# KiCad board Zx50 Bus Probe_RevB.kicad_pcb (continued)
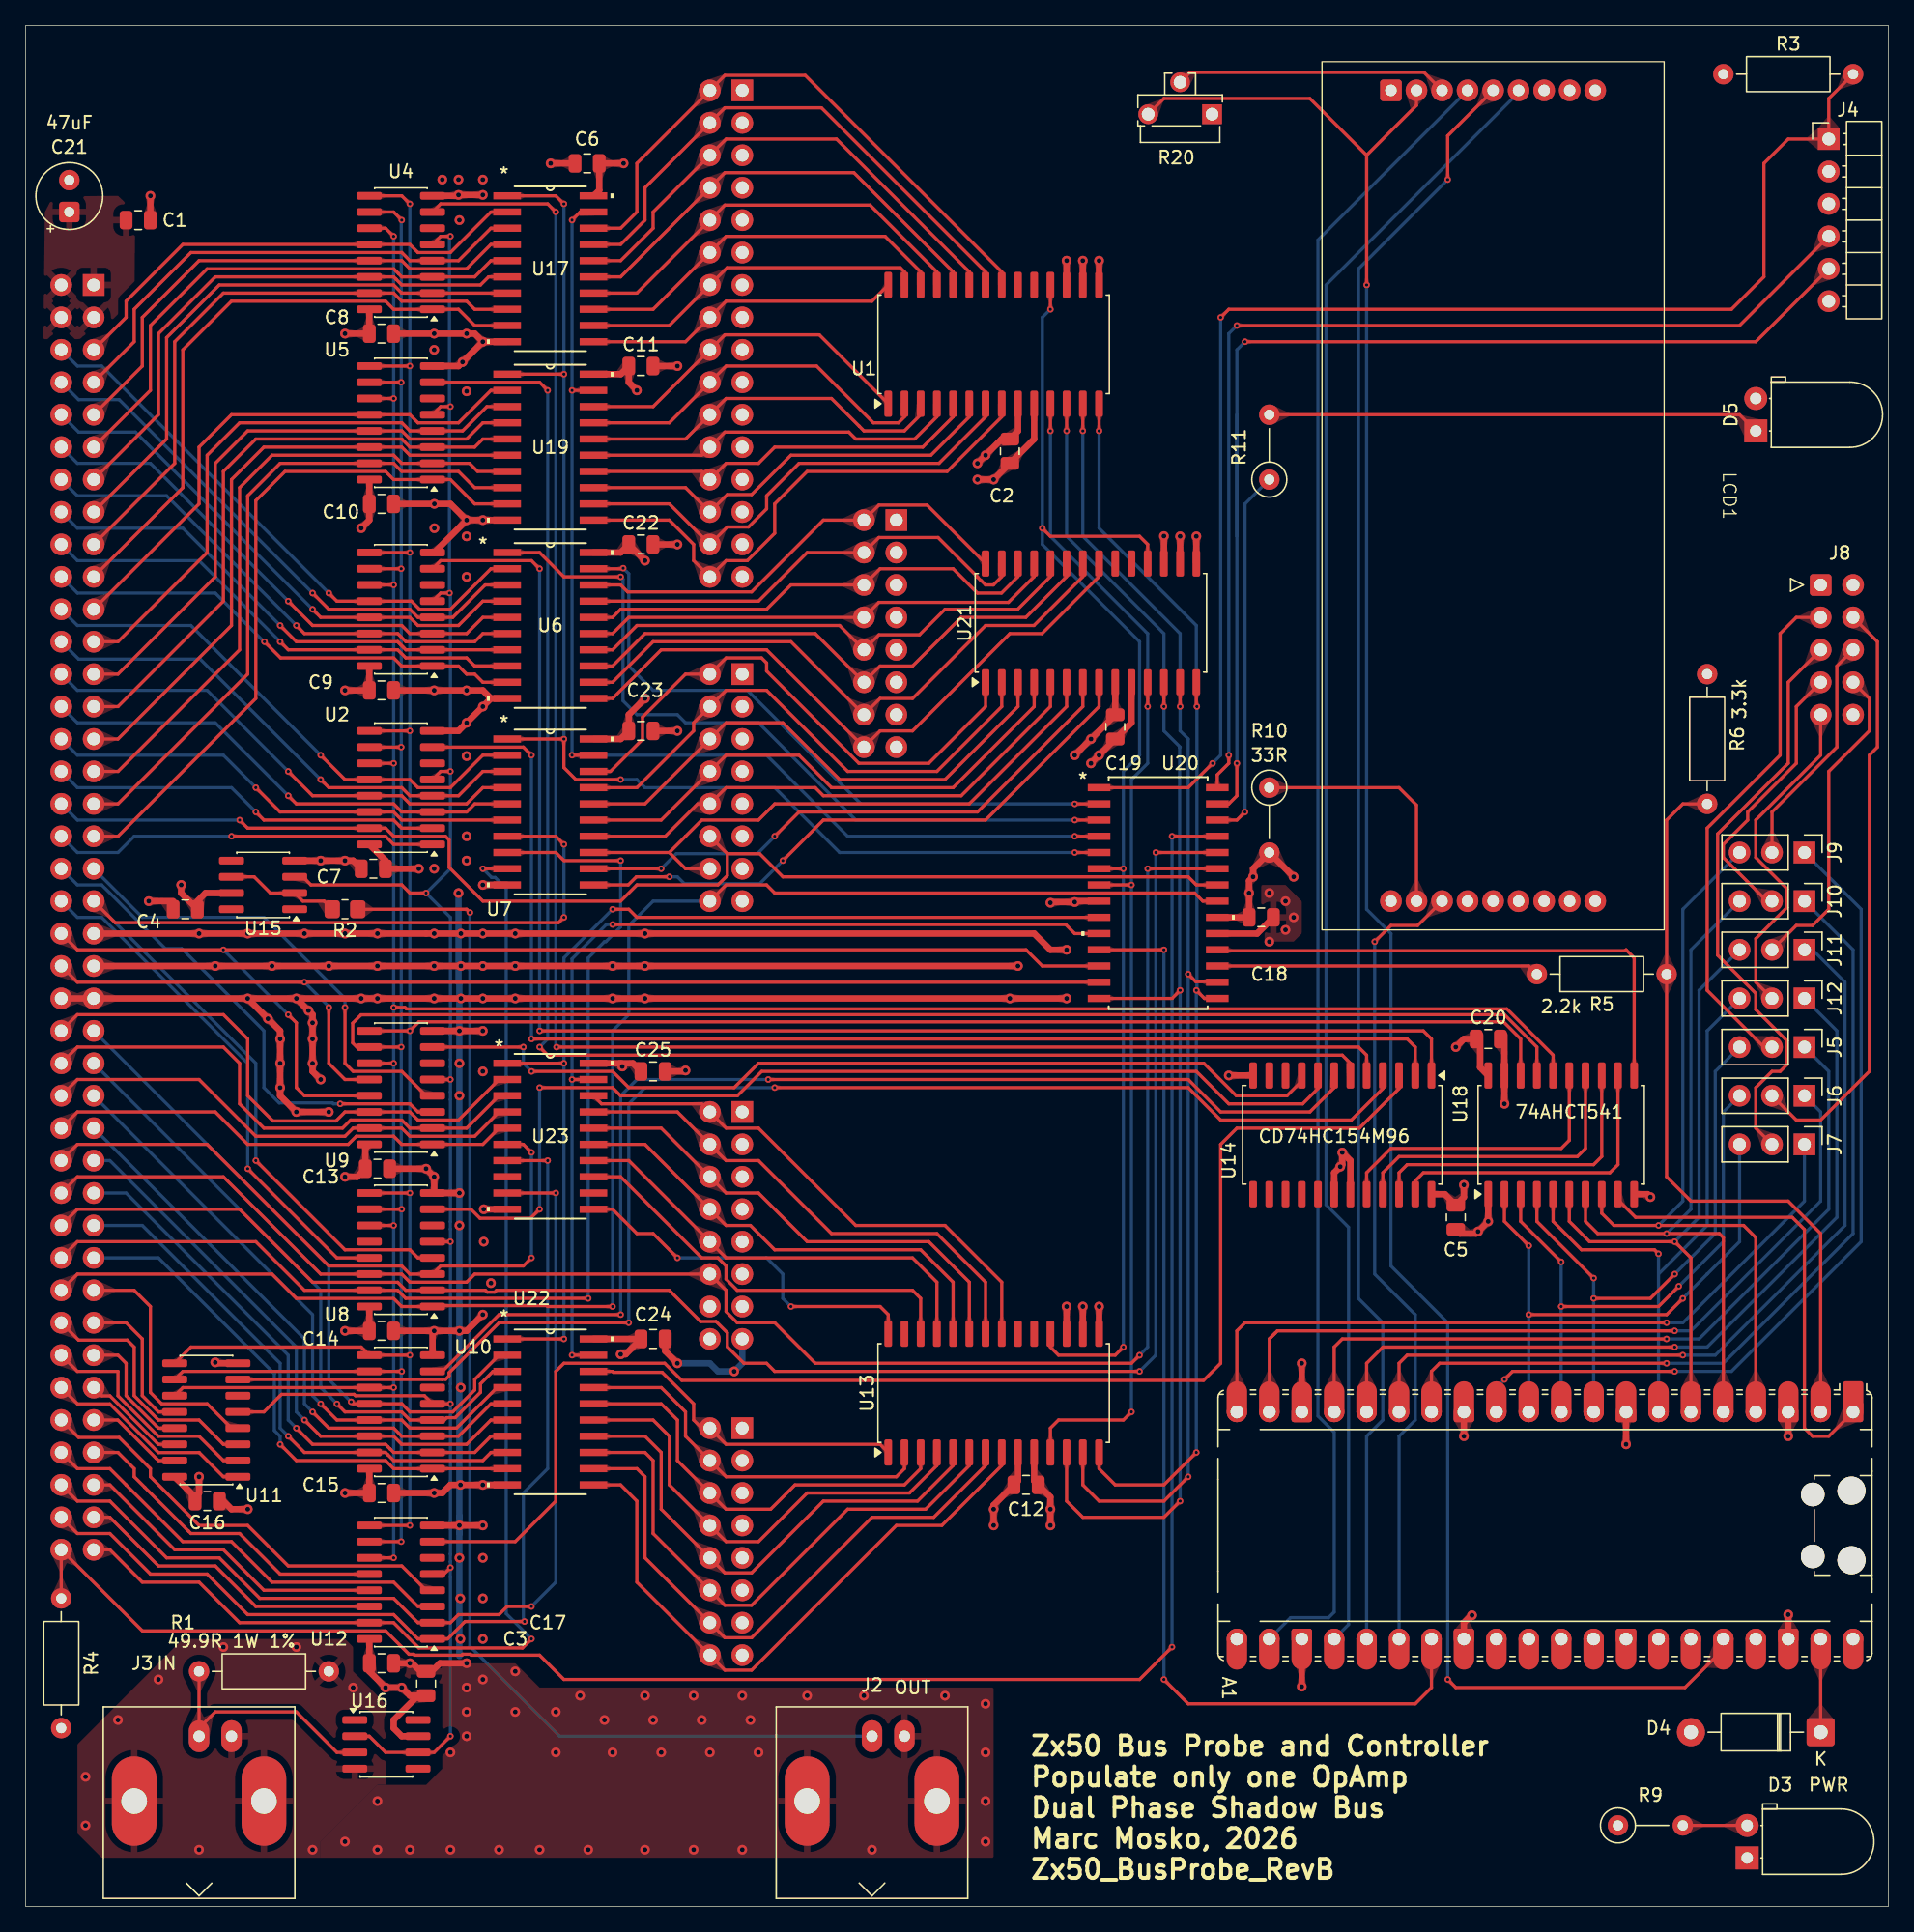
[diagram p0: board, top side]
## Nets
+5V: C1.1 C2.1 C3.1 C4.1 C5.2 C6.1 C7.2 C8.2 C9.2 C10.2 C11.1 C12.1 C13.2 C14.2 C15.2 C16.2 C17.2 C18.1 C19.1 C20.1 C21.1 C22.1 C23.1 C24.1 C25.1 D4.2 D5.2 J1.1 J1.2 J1.3 J1.4 J4.2 R3.1 R4.2 R9.1 R10.2 U1.9 U2.16 U3.16 U4.16 U5.16 U6.20 U7.20 U8.16 U9.16 U10.16 U11.16 U12.16 U13.9 U13.15 U14.24 U15.7 U16.7 U17.20 U18.20 U19.20 U20.20 U21.9 U21.16 U22.20 U23.20
GND: A1.3 A1.8 A1.13 A1.18 A1.23 A1.28 A1.38 C1.2 C2.2 C3.2 C4.2 C5.1 C6.2 C7.1 C8.1 C9.1 C10.1 C11.2 C12.2 C13.1 C14.1 C15.1 C16.1 C17.1 C18.2 C19.2 C20.2 C21.2 C22.2 C23.2 C24.2 C25.2 D3.1 J1.41 J1.43 J1.45 J1.46 J2.2 J3.2 J4.3 J8.1 J8.2 J8.10 J15.1a J15.2a J15.3a J15.4a J15.5a J15.6a J15.7a J15.8a J15.9a J15.10a J15.11a J15.12a J15.13a J15.14a J15.15a J15.16a J16.1a J16.2a J16.3a J16.4a J16.5a J16.6a J16.7a J16.8a J17.1a J17.2a J17.3a J17.4a J17.5a J17.6a J17.7a J17.8a J19.1a J19.2a J19.3a J19.4a J19.5a J19.6a J19.7a J19.8a J20.1a J20.2a J20.3a J20.4a J20.5a J20.6a J20.7a J20.8a LCD1.1 LCD1.18 R1.1 R6.1 R20.1 U1.10 U1.15 U1.16 U1.17 U2.8 U3.8 U4.8 U5.8 U6.10 U7.10 U8.8 U9.8 U10.8 U11.8 U12.8 U13.10 U13.16 U13.17 U14.12 U14.18 U14.19 U15.4 U16.4 U17.10 U18.1 U18.10 U18.19 U19.10 U20.8 U20.19 U21.10 U21.15 U21.17 U22.10 U23.10
/A0: J1.5 U4.12 U17.2
/A1: J1.7 U4.4 U17.3
/A2: J1.9 U4.13 U17.4
/A3: J1.11 U4.3 U17.5
/A4: J1.13 U4.14 U17.6
/A5: J1.15 U4.2 U17.7
/A6: J1.17 U4.15 U17.8
/A7: J1.19 U4.1 U17.9
/A8: J1.21 U5.12 U19.2
/A9: J1.23 U5.4 U19.3
/A10: J1.25 U5.13 U19.4
/A11: J1.27 U5.3 U19.5
/A12: J1.29 U5.14 U19.6
/A13: J1.31 U5.2 U19.7
/A14: J1.33 U5.15 U19.8
/A15: J1.35 U5.1 U19.9
/AN: U2.5 U3.5 U4.5 U5.5 U8.5 U9.5 U10.5 U11.5 U12.5 U15.3 U16.2 U16.6
/AN_IN: J3.1 R1.2 U16.3
/AN_OUT: R2.2 U15.2 U15.6
/AUX: J1.80 R4.1 U20.25
/BK_LGT: LCD1.17 R10.1
/CHIP0: U14.23 U18.12
/CHIP1: U14.22 U18.13
/CHIP2: U14.21 U18.14
/CHIP3: U14.20 U18.15
/CLK: J1.42 U9.13 U20.12
/D0: J1.6 U3.12 U6.2
/D1: J1.8 U3.4 U6.3
/D2: J1.10 U3.13 U6.4
/D3: J1.12 U3.3 U6.5
/D4: J1.14 U3.14 U6.6
/D5: J1.16 U3.2 U6.7
/D6: J1.18 U3.15 U6.8
/D7: J1.20 U3.1 U6.9
/DISP_CS: A1.22 LCD1.4
/DISP_RST: A1.26 LCD1.16
/G0: J1.63 U11.4
/G1: J1.65 U11.12
/G2: J1.66 U11.3
/G3: J1.67 U11.13
/G4: J1.68 U11.2
/G5: J1.69 U11.14
/G6: J1.70 U11.1
/G7: J1.71 U11.15
/G8: J1.72 U12.4
/G9: J1.73 U12.12
/G10: J1.74 U12.3
/G11: J1.75 U12.13
/G12: J1.76 U12.2 U23.9
/G13: J1.77 U12.14
/G14: J1.78 U12.1 U23.7
/G15: J1.79 U7.9 U12.15
/IEI: J1.37 U9.4
/IEO: J1.38 U9.3
/MCLK: J1.44 U9.12 U20.13
/MCLR_N: J4.1 R3.2 U20.1
/OUT: J2.1 R2.1
/PGC: J4.5 U20.27
/PGD: J4.4 U20.28
/PIC_PICO_INT: A1.27 U20.11
/PICO_RX: A1.2 R5.1 R6.2
/PICO_TX: A1.1 U18.9
/PORT0: U2.11 U3.11 U4.11 U5.11 U8.11 U9.11 U10.11 U11.11 U12.11 U18.16
/PORT1: U2.10 U3.10 U4.10 U5.10 U8.10 U9.10 U10.10 U11.10 U12.10 U18.17
/PORT2: U2.9 U3.9 U4.9 U5.9 U8.9 U9.9 U10.9 U11.9 U12.9 U18.18
/RA0: U6.19 U20.2
/RA1: U6.1 U20.3
/RA2: U7.19 U17.19 U19.19 U20.4
/RA3: U7.1 U17.1 U19.1 U20.5
/RA4: U1.18 U13.18 U20.6 U21.18
/RA5: U1.11 U13.11 U20.7 U21.11
/RA6: U20.10 U22.19 U23.19
/RA7: U20.9 U22.1 U23.1
/RB5: R11.1 U20.26
/RX: U18.11 U20.18
/SCK: U1.12 U13.12 U20.14 U21.12
/SD0: J1.47 U10.12 U22.2
/SD1: J1.49 U10.4 U22.3
/SD2: J1.51 U10.13 U22.4
/SD3: J1.53 U10.3 U22.5
/SD4: J1.55 U10.14 U22.6
/SD5: J1.57 U10.2 U22.7
/SD6: J1.59 U10.15 U22.8
/SD7: J1.61 U10.1 U22.9
/SDI: U1.14 U13.14 U20.15 U21.14
/SDO: U1.13 U13.13 U20.16 U21.13
/SEL0: U3.7 U14.1
/SEL1: U2.7 U14.2
/SEL2: U12.7 U14.3
/SEL3: U11.7 U14.4
/SEL4: U4.7 U14.5
/SEL5: U5.7 U14.6
/SEL6: U10.7 U14.7
/SEL7: U8.7 U14.8
/SEL8: U9.7 U14.9
/SH_RW: J1.54 U9.1 U23.5
/SPI_SCK: A1.24 LCD1.6
/SPI_TX: A1.25 LCD1.5
/TX: R5.2 U20.17
/X.A0: J15.1b U1.21 U17.18
/X.A1: J15.2b U1.22 U17.17
/X.A2: J15.3b U1.23 U17.16
/X.A3: J15.4b U1.24 U17.15
/X.A4: J15.5b U1.25 U17.14
/X.A5: J15.6b U1.26 U17.13
/X.A6: J15.7b U1.27 U17.12
/X.A7: J15.8b U1.28 U17.11
/X.A8: J15.9b U1.1 U19.18
/X.A9: J15.10b U1.2 U19.17
/X.A10: J15.11b U1.3 U19.16
/X.A11: J15.12b U1.4 U19.15
/X.A12: J15.13b U1.5 U19.14
/X.A13: J15.14b U1.6 U19.13
/X.A14: J15.15b U1.7 U19.12
/X.A15: J15.16b U1.8 U19.11
/X.D0: J16.1b U6.18 U21.28
/X.D1: J16.2b U6.17 U21.27
/X.D2: J16.3b U6.16 U21.26
/X.D3: J16.4b U6.15 U21.25
/X.D4: J16.5b U6.14 U21.24
/X.D5: J16.6b U6.13 U21.23
/X.D6: J16.7b U6.12 U21.22
/X.D7: J16.8b U6.11 U21.21
/X.G12: U13.28 U23.11
/X.G14: U13.26 U23.13
/X.G15: U7.11 U21.8
/X.SD0: J19.1b U13.1 U22.18
/X.SD1: J19.2b U13.2 U22.17
/X.SD2: J19.3b U13.3 U22.16
/X.SD3: J19.4b U13.4 U22.15
/X.SD4: J19.5b U13.5 U22.14
/X.SD5: J19.6b U13.6 U22.13
/X.SD6: J19.7b U13.7 U22.12
/X.SD7: J19.8b U13.8 U22.11
/X.SH_RW: J20.4b U13.24 U23.15
/X.~BUSAK~: U7.12 U21.7
/X.~IORQ~: J17.4b U7.15 U21.4
/X.~M1~: J17.5b U7.14 U21.5
/X.~MREQ~: J17.3b U7.16 U21.3
/X.~RD~: J17.1b U7.18 U21.1
/X.~RESET~: J17.7b U7.13 U21.6
/X.~SH_DONE~: J20.5b U13.25 U23.14
/X.~SH_EN~: J20.3b U13.23 U23.16
/X.~SH_INC~: J20.2b U13.22 U23.17
/X.~SH_STB~: J20.1b U13.21 U23.18
/X.~WR~: J17.2b U7.17 U21.2
/~BUSAK~: J1.62 U7.8 U8.15
/~BUSRQ~: J1.60 U8.2 U20.24
/~HALT~: J1.40 U8.13
/~INT~: J1.64 J17.8b U8.1 U20.21
/~IORQ~: J1.28 U2.3 U7.5
/~M1~: J1.30 U2.14 U7.6
/~MREQ~: J1.26 U2.13 U7.4
/~NMI~: J1.36 U2.1
/~RD~: J1.22 U2.12 U7.2
/~RESET~: J1.39 U7.7 U8.4
/~RFSH~: J1.32 U2.2
/~SH_BUSY~: J1.58 J20.6b U8.14 U20.23
/~SH_DONE~: J1.56 U8.3 U23.6
/~SH_EN~: J1.52 U9.15 U23.4
/~SH_INC~: J1.50 U9.2 U23.3
/~SH_STB~: J1.48 U9.14 U23.2
/~WAIT~: J1.34 J17.6b U2.15 U20.22
/~WR~: J1.24 U2.4 U7.3
Net-(A1-3V3): A1.36 LCD1.2 R20.3
Net-(A1-GPIO2): A1.4 J9.3 U18.8
Net-(A1-GPIO3): A1.5 J10.3 U18.7
Net-(A1-GPIO4): A1.6 J11.3 U18.6
Net-(A1-GPIO5): A1.7 J12.3 U18.5
Net-(A1-GPIO6): A1.9 J5.3 U18.4
Net-(A1-GPIO7): A1.10 J6.3 U18.3
Net-(A1-GPIO8): A1.11 J7.3 U18.2
Net-(A1-GPIO9): A1.12 J9.1
Net-(A1-GPIO10): A1.14 J10.1
Net-(A1-GPIO11): A1.15 J11.1
Net-(A1-GPIO12): A1.16 J12.1
Net-(A1-GPIO13): A1.17 J5.1
Net-(A1-GPIO14): A1.19 J6.1
Net-(A1-GPIO15): A1.20 J7.1
Net-(A1-VSYS): A1.39 D4.1
Net-(D3-A): D3.2 R9.2
Net-(D5-K): D5.1 R11.2
Net-(J5-Pin_2): J5.2 J8.3
Net-(J6-Pin_2): J6.2 J8.4
Net-(J7-Pin_2): J7.2 J8.5
Net-(J8-Pin_6): J8.6 J9.2
Net-(J10-Pin_2): J8.7 J10.2
Net-(J11-Pin_2): J8.8 J11.2
Net-(J12-Pin_2): J8.9 J12.2
Net-(LCD1-Contrast): LCD1.3 R20.2

Pads without a net: A1 21 29 30 31 32 33 34 35 37 40; J4 6; J20 7b 8b; LCD1 7 8 9 10 11 12 13 14 15; U1 19 20; U2 6; U3 6; U4 6; U5 6; U8 6 12; U9 6; U10 6; U11 6; U12 6; U13 19 20 27; U14 10 11 13 14 15 16 17; U15 1 5 8; U16 1 5 8; U21 19 20; U23 8 12

## Via types
v1: diameter 0.508, hole 0.254, Top to Bottom, 182 vias
v2: diameter 0.762, hole 0.381, Top to Bottom, 228 vias

## Routing (per net, layer and track width the routed paths; a pad name or vN(x,y) marks a point on that pad's centre or on a via; arc(x,y) is an arc through that point)
+5V: length 126.6
  Top w0.5: U14.24 111.15,55.79 C5.2 112.65,55.56 v2(112.65,56.52) ; v2(99.31,80.64) R10.2 96.14,81.28 v2(96.14,80.64) 95.82,80.33 v2(95.82,79.38) C18.1 U20.20 ; v2(25.02,123.19) C8.2 U4.16 ; U3.16 C9.2 v2(25.02,95.25) ; v2(75.82,29.84) v2(75.82,31.11) 75.82,31.43 C12.1 77.72,33.34 U13.9 ; 13.46,78.1 12.19,79.38 v2(12.19,80.01) ; v2(48.51,105.41) C22.1 46.61,106.04 44.48,106.04 ; U22.20 C24.1 47,43.25 v2(46.61,43.25) ; U8.16 C14.2 v2(25.02,45.08) ; v2(13.59,33.66) 13.59,32.38 13.28,32.07 ; v2(48.51,94.61) 47.24,93.34 C23.1 46.61,91.44 U7.20 ; 13.28,32.06 U11.16 ; 26.93,20.95 C17.2 26.93,18.41 v2(28.19,17.14) v2(29.46,17.14) 30.1,16.51 C3.1 30.73,16.51 28.83,14.6 28.83,13.97 29.46,13.34 30.73,13.34 ; 13.46,78.74 14.09,79.38 16.13,79.38 ; 26.93,34.28 C15.2 v2(25.02,32.38) ; v2(25.02,57.15) 25.97,57.15 26.61,57.78 26.61,59.38 U9.16 ; v2(112.01,67.31) 112.65,67.94 C20.1 ; v2(46.84,136.53) C6.1 44.93,134.42 44.5,133.98 ; v2(47.88,118.75) 47.24,119.38 C11.1 46.61,120.01 U19.20 ; 26.92,83.18 28.19,81.92 C7.2 v2(30.8,81.28) ; v2(82.17,90.17) 83.44,91.44 v2(83.44,91.44) C19.1 U21.9 ; v2(26.29,107.95) 26.92,108.58 C10.2 U5.16 ; U13.15 v2(84.07,46.99) ; U21.16 v2(90.42,107.31) ; U23.20 46.54,66.04 46.61,65.97 46.68,66.04 47.56,66.04 C25.1 ; 113.92,68.26 113.92,65.72 U18.20 ; v2(74.55,113.03) v2(75.18,113.66) 76.45,114.93 C2.1 77.72,115.56 U1.9
  vias: v2(46.74,65.79)
GND: length 514.1
  Top w0.5: J1.46 J1.45 v2(17.4,71.12) ; U21.17 89.15,107.31 ; U1.16 v2(82.8,128.91) ; C6.2 v2(41.12,136.53) ; 38.35,33.02 v2(35.81,33.02) 33.27,33.02 32.64,32.38 v2(32,32.38) C15.1 ; v2(35.81,134.06) v2(33.91,134.06) 33.91,133.98 U4.8 ; J1.43 v2(14.86,73.66) v2(19.3,73.66) v2(23.75,73.66) v2(27.56,73.66) v2(32,73.66) v2(38.35,73.66) v2(45.97,73.66) v2(48.51,73.66) v2(77.72,73.66) ; U13.10 78.99,33.34 C12.2 80.26,32.06 v2(80.26,31.11) v2(80.26,29.84) ; v2(34.54,108.58) v2(35.81,108.58) 37.31,108.58 ; v2(34.54,108.58) 33.27,109.85 C10.1 ; v2(34.54,108.58) 32,106.04 ; A1.3 v2(138.05,36.83) ; v2(74.55,111.76) v2(75.82,111.76) C2.2 78.99,114.94 U1.10 ; v2(127.25,55.56) 127.03,55.79 U18.10 ; C17.1 v2(30.1,19.05) 30.29,19.05 30.93,18.41 ; U7.10 v2(35.81,80.01) ; v2(21.21,71.12) v2(26.29,71.12) v2(27.56,71.12) v2(32,71.12) v2(38.35,71.12) v2(45.97,71.12) v2(48.51,71.12) v2(77.09,71.12) v2(81.53,71.12) ; v2(21.21,71.12) v2(17.4,71.12) ; v2(21.21,71.12) v2(22.16,70.17) 22.48,69.85 v2(22.48,69.21) v2(22.48,67.94) v2(22.48,66.04) 22.48,65.41 v2(23.11,64.77) ; U2.8 33.91,92.07 36.45,94.61 ; v2(17.4,31.11) 16.13,31.11 15.49,31.75 ; U13.17 v2(81.53,46.99) ; C14.1 v2(32,45.08) ; v2(32,45.08) v2(33.98,45.08) 34.54,45.08 v2(35.81,46.35) ; v2(32,45.08) 31.87,44.95 U10.8 ; C18.2 96.45,76.2 U20.19 ; J1.41 v2(13.59,76.2) v2(17.4,76.2) v2(21.84,76.2) v2(25.02,76.2) v2(27.56,76.2) v2(38.35,76.2) v2(48.51,76.2) 78.99,76.2 80.26,74.93 v2(81.53,74.93) ; C9.1 v2(32,95.25) 35.81,95.25 36.45,94.61 ; U14.18 102.49,57.47 v2(102.97,57.94) 103.12,58.1 v2(103.12,59.05) 103.76,58.42 103.76,55.79 ; v2(35.81,29.84) v2(33.98,29.84) U12.8 ; v2(23.75,62.23) v2(21.21,62.23) 19.94,63.5 v2(19.94,64.13) v2(19.94,66.04) v2(19.94,67.94) 19.94,68.58 v2(18.99,69.53) v2(17.4,71.12) ; U5.8 33.91,120.65 v2(34.23,120.97) v2(35.81,122.55) ; 36.45,94.61 37.08,94.61 ; v2(35.81,68.58) v2(33.98,68.58) U9.8 ; C24.2 50.1,43.5 v2(51.05,42.54) ; v2(35.81,122.55) 35.18,123.19 C8.1 ; v2(35.81,122.55) U17.10 ; v2(83.44,89.53) v2(84.07,90.17) C19.2 86.61,92.71 U21.10 ; 99.95,38.73 v2(99.95,42.54) ; U14.12 v2(94.23,65.09) ; U1.17 v2(81.53,128.91) ; 115.82,68.26 115.82,65.09 ; v2(33.98,55.88) 32,55.88 v2(32,57.15) v2(31.37,57.78) C13.1 ; U15.4 v2(23.11,81.91) v2(25.02,81.91) 25.65,81.91 26.29,81.28 ; C23.2 v2(51.05,92.07) ; 125.35,39.53 v2(125.35,36.19) ; v2(9.78,133.98) 9.77,133.98 C1.2 ; 99.95,20.16 v2(99.95,17.22) ; v2(14.86,42.62) 14.86,42.54 U11.8 ; U18.1 v2(114.55,53.66) 114.55,53.66 114.55,53.65 v2(113.76,52.86) 113.6,52.7 112.34,52.7 C5.1 ; 11.56,78.74 v2(9.65,78.74) ; U20.8 82.24,78.74 v2(82.17,78.67) 80.26,78.67 ; v2(34.54,19.05) 32.45,19.05 31.81,18.41 ; A1.38 v2(138.05,22.86) ; C25.2 51.69,65.41 v2(51.69,65.48) ; U18.19 v2(115.82,62.86) ; C22.2 v2(51.05,106.68) ; U13.16 v2(82.8,46.99) ; A1.28 112.65,22.22 113.28,22.86 113.29,22.86 v2(113.29,22.81) ; U1.15 v2(84.07,128.91) ; A1.13 v2(112.65,36.83) ; U21.15 v2(91.69,107.31) ; C11.2 v2(51.05,120.65) ; U23.10 v2(35.88,54.61)
  Bottom w0.5: 33.98,27.23 33.98,27.09 ; 33.98,27.23 33.98,19.61 ; 33.98,27.23 v2(33.98,27.31) 33.98,29.21 ; 33.98,29.21 33.98,29.21 v2(33.98,29.84) 33.98,30.55 33.98,30.55 ; 33.98,29.21 33.98,30.55 ; J20.8a 56.13,42.54 v2(55.5,41.91) 54.23,41.91 53.59,42.54 v2(51.05,42.54) ; v2(33.98,63.5) 33.98,63.5 ; 33.98,63.5 v2(33.98,53.34) 33.98,30.55 ; 33.98,63.5 33.98,66.04 ; 34.23,120.83 v2(34.23,120.97) ; 33.98,66.04 33.98,72.32 33.91,72.39 v2(33.91,79.38) ; 33.98,66.04 v2(33.98,66.04)
  vias: v2(4.7,10.16) v2(4.7,6.35) v2(7.24,14.6) v2(10.41,17.78) v2(13.59,4.44) v2(15.49,20.32) v2(21.21,20.32) v2(22.48,4.44) v2(25.02,5.08) v2(25.65,17.14) v2(27.56,8.25) v2(27.56,4.44) v2(30.1,4.44) v2(32,123.19) v2(32,121.92) v2(32.02,109.85) v2(32.02,107.95) v2(32,81.28) v2(32,76.2) v2(32.64,135.25) v2(33.27,12.06) v2(33.27,4.44) v2(33.91,135.25) v2(33.98,132.08) v2(34.1,76.2) v2(34.1,73.66) v2(34.1,71.12) v2(34.08,40.64) v2(34.07,33.02) v2(34.05,24.13) v2(34.06,20.95) v2(34.54,123.19) v2(34.54,118.67) v2(34.54,107.31) v2(34.54,104.14) v2(34.54,95.25) v2(34.54,92.71) v2(34.54,90.1) v2(34.54,83.82) v2(34.54,81.91) v2(34.54,17.14) v2(34.54,15.24) v2(34.54,13.34) v2(35.81,135.25) v2(35.81,93.98) v2(35.81,76.2) v2(35.81,73.66) v2(35.81,71.12) v2(35.81,65.41) v2(35.81,27.31) v2(35.81,24.13) v2(35.81,20.95) v2(35.81,17.78) v2(35.88,52.07) v2(36.45,48.82) v2(37.08,4.44) v2(38.35,18.41) v2(38.35,15.24) v2(40.26,4.44) v2(41.53,15.24) v2(41.53,12.06) v2(43.43,16.51) v2(44.07,4.44) v2(45.34,14.6) v2(45.97,12.06) v2(48.51,16.51) v2(48.51,4.44) v2(49.15,14.6) v2(49.78,12.06) v2(52.32,16.51) v2(52.32,4.44) v2(52.96,14.6) v2(53.59,12.06) v2(56.13,16.51) v2(56.13,4.44) v2(56.77,14.6) v2(57.4,12.06) v2(61.21,16.51) v2(65.66,16.51) v2(66.29,4.44) v2(72.01,16.51) v2(75.18,15.88) v2(75.18,12.06) v2(75.18,8.25) v2(75.18,5.08) v2(80.26,78.61) v2(89.15,107.33) v2(97.41,79.38) v2(97.41,75.56) v2(98.68,78.74) v2(98.68,76.49) v2(99.31,77.47)
/A0: length 38.1
  Top w0.25: J1.5 7.87,124.46 7.87,125.73 12.32,130.18 30.1,130.18 30.73,129.54 33.27,129.54 36.45,132.72 U17.2
/A1: length 39.4
  Top w0.25: U17.3 36.45,131.44 33.91,128.91 U4.4 30.1,128.91 29.47,129.54 12.95,129.54 8.51,125.09 8.51,122.55 J1.7
/A2: length 40.7
  Top w0.25: J1.9 9.14,120.65 9.14,124.46 13.59,128.91 U4.13 29.46,128.91 30.1,128.27 34.54,128.27 36.45,130.18 U17.4
/A3: length 41.9
  Top w0.25: J1.11 9.78,118.75 9.78,123.82 14.21,128.26 28.84,128.26 29.01,128.09 29.02,128.09 29.2,127.9 29.2,127.9 29.47,127.63 U4.3 35.18,127.63 36.45,128.91 U17.5
/A4: length 43.2
  Top w0.25: U17.6 36.27,127.63 35.63,127 29.47,127 29.02,127.45 29.01,127.45 28.83,127.63 U4.14 14.86,127.63 10.41,123.19 10.41,116.84 J1.13
/A5: length 44.7
  Top w0.25: J1.15 11.05,114.94 11.05,122.88 15.17,127 28.83,127 29.46,126.36 U4.2 U17.7
/A6: length 46.6
  Top w0.25: J1.17 11.68,113.03 11.68,122.56 15.49,126.36 U4.15 28.83,126.36 29.46,125.73 34.54,125.73 35.18,125.09 U17.8
/A7: length 48.4
  Top w0.25: U17.9 35.18,123.82 33.91,125.09 U4.1 28.83,125.09 28.19,125.73 16.13,125.73 12.32,121.92 12.32,111.12 J1.19
/A8: length 42.6
  Top w0.25: U19.2 36.45,118.75 33.91,116.2 30.73,116.2 30.1,116.84 U5.12 16.13,116.84 13.59,114.3 13.59,109.85 J1.21
/A9: length 45
  Top w0.25: U19.3 36.13,117.47 34.23,115.57 U5.4 30.11,115.57 29.47,116.2 16.76,116.2 14.22,113.66 14.22,106.04 7.24,99.06 J1.23
/A10: length 46.3
  Top w0.25: 37.72,116.2 35.81,116.2 34.54,114.94 30.1,114.94 29.47,115.57 U5.13 17.4,115.57 14.86,113.03 14.86,104.14 7.24,96.52 J1.25
/A11: length 47.5
  Top w0.25: U19.5 35.81,114.94 35.18,114.3 U5.3 30.1,114.3 29.47,114.94 18.03,114.94 15.49,112.39 15.49,102.23 7.24,93.98 J1.27
/A12: length 48.8
  Top w0.25: J1.29 7.24,91.44 16.13,100.33 16.13,111.76 18.67,114.3 U5.14 29.46,114.3 30.1,113.66 37.72,113.66
/A13: length 50.2
  Top w0.25: J1.31 7.24,88.9 16.76,98.42 16.76,111.12 19.3,113.66 28.83,113.66 29.47,113.03 U5.2 34.77,113.03 35.41,112.39 37.31,112.39
/A14: length 52.4
  Top w0.25: 37.72,111.12 35.18,111.12 33.91,112.39 29.46,112.39 28.83,113.03 U5.15 19.94,113.03 17.4,110.49 17.4,96.52 7.24,86.36 J1.33
/A15: length 54.3
  Top w0.25: U19.9 35.18,109.85 33.27,111.76 U5.1 28.83,111.76 28.19,112.39 20.32,112.39 18.03,110.11 18.03,94.61 7.24,83.82 J1.35
/AN: length 166.2
  Top w0.25: 31.87,130.18 32.51,130.81 v1(33.27,130.81) ; v1(33.27,117.47) 32.51,117.47 U5.5 ; v1(33.27,26.54) 32.77,26.03 32,26.03 ; 21.71,80.64 22.35,80.01 29.46,80.01 30.1,79.38 v1(31.37,79.38) ; U11.5 18.67,38.73 20.04,40.11 25.74,40.11 25.84,40 31.24,40 U10.5 v1(33.27,39.37) ; U8.5 v1(33.27,52.07) ; v1(33.27,88.9) 32.51,88.9 U2.5 ; 25.78,13.34 26.92,13.34 28.19,12.06 U16.6 32,12.06 v1(33.27,13.34) ; U9.5 v1(33.27,64.77) ; U3.5 32.51,102.87 v1(33.2,102.87)
  Bottom w0.25: v1(33.27,130.81) 33.2,130.74 33.2,117.55 v1(33.27,117.47) 33.2,117.4 33.2,102.94 33.27,102.87 33.27,81.28 v1(31.37,79.38) 33.27,77.47 33.27,68.87 33.27,68.87 33.27,68.29 33.27,68.29 33.27,66.33 33.27,66.33 33.27,65.75 33.27,65.75 33.27,63.79 33.27,63.79 33.27,63.21 33.27,63.21 33.27,56.17 33.27,56.17 33.27,55.59 33.27,55.59 33.27,53.63 33.27,53.63 33.27,53.05 33.27,53.05 33.27,45.38 33.27,40.93 33.27,40.93 33.27,40.35 33.27,40.35 33.27,33.31 33.27,33.31 33.27,32.73 33.27,32.73 33.27,30.14 33.27,27.6 33.27,27.6 33.27,27.01 33.27,27.01 33.27,26.67 ; v1(33.27,13.34) 33.27,25.81 33.27,25.81 33.27,26.4 33.27,26.4 v1(33.27,26.54)
/AN_IN: length 19.1
  Top w0.25: 13.59,18.41 J3.1 ; U16.3 24.38,12.06 21.21,15.24 14.86,15.24 13.59,13.97
/AN_OUT: length 8.9
  Top w0.25: U15.6 17.9,80.64 19.17,79.38 21.08,79.38 21.71,78.74 23.38,78.74 R2.2
/AUX: length 163.2
  Top w0.25: R4.1 J1.80 9.15,21.58 28.2,21.58 30.03,19.76 30.39,19.76 30.46,19.69 34.18,19.69 34.25,19.76 34.84,19.76 34.91,19.69 40.26,19.69 42.16,17.78 87.25,17.78 v1(89.79,20.32) ; U20.25 v1(89.79,83.82)
  Bottom w0.25: v1(89.79,20.32) v1(89.79,83.82)
/BK_LGT: length 19.6
  Top w0.25: R10.1 107.57,87.63 108.93,86.27 LCD1.17
/CHIP0: length 24.4
  Top w0.25: U14.23 108.84,56.83 109.47,57.47 124.08,57.47 124.71,58.1 U18.12
/CHIP1: length 24.4
  Top w0.25: U14.22 107.57,57.47 108.2,58.1 122.81,58.1 123.44,58.74 U18.13
/CHIP2: length 24.1
  Top w0.25: U18.14 122.17,59.37 121.54,58.74 107.57,58.74 106.3,57.47 U14.21
/CHIP3: length 23.7
  Top w0.25: U14.20 105.03,57.47 106.93,59.37 120.27,59.37 120.9,60.01 U18.15
/CLK: length 101.5
  Top w0.25: v1(20.57,69.85) 21.21,69.21 21.21,64.13 21.84,63.5 U9.13 ; J1.42 4.06,74.93 78.36,74.93 79.63,73.66 U20.12
  Bottom w0.25: v1(20.57,69.85) v1(15.49,74.93)
/D0: length 44.7
  Top w0.25: U6.2 36.45,104.77 33.27,101.6 30.86,101.6 30.22,102.23 U3.12 24.38,102.23 v1(23.75,102.87)
  Bottom w0.25: v1(23.75,102.87) 5.97,120.65 4.06,120.65 J1.6
/D1: length 43.6
  Top w0.25: v1(22.48,102.87) 23.75,101.6 30.1,101.6 30.73,100.96 U3.4 33.46,100.96 36,103.5 U6.3
  Bottom w0.25: v1(22.48,102.87) 7.33,118.02 4.16,118.02 J1.8
/D2: length 42.6
  Top w0.25: U6.4 35.81,102.23 33.91,100.33 33.91,100.33 30.73,100.33 30.1,100.96 U3.13 23.11,100.96 v1(22.48,101.6)
  Bottom w0.25: J1.10 4.16,115.48 8.6,115.48 v1(22.48,101.6)
/D3: length 41.5
  Top w0.25: 37.72,100.96 35.81,100.96 34.54,99.69 U3.3 30.1,99.69 29.46,100.33 22.48,100.33 v1(20.57,102.23)
  Bottom w0.25: v1(20.57,102.23) 9.78,113.03 4.06,113.03 J1.12
/D4: length 40.4
  Top w0.25: U6.6 35.81,99.69 35.18,99.06 29.78,99.06 29.15,99.69 U3.14 21.84,99.69 v1(21.21,100.33)
  Bottom w0.25: J1.14 4.06,110.49 11.05,110.49 v1(21.21,100.33)
/D5: length 40.1
  Top w0.25: 29.15,99.06 29.78,98.42 U3.2 U6.7 ; 29.15,99.06 21.21,99.06 v1(19.94,100.33) ; 29.15,99.06 29.62,98.58
  Bottom w0.25: J1.16 4.06,107.95 12.32,107.95 v1(19.94,100.33)
/D6: length 41.4
  Top w0.25: 37.08,97.16 35.18,97.16 ; 35.18,97.16 34.54,97.79 29.78,97.79 29.14,98.42 U3.15 20.57,98.42 v1(19.94,99.06) ; 35.18,97.16 38.35,97.16
  Bottom w0.25: J1.18 4.06,105.41 13.59,105.41 v1(19.94,99.06)
/D7: length 39
  Top w0.25: 38.35,95.88 35.81,95.88 35.18,96.52 34.54,96.52 33.91,97.16 U3.1 29.46,97.16 28.83,97.79 19.98,97.79 v1(18.71,99.06)
  Bottom w0.25: J1.20 4.06,102.87 14.86,102.87 18.67,99.06 v1(18.71,99.06)
/DISP_CS: length 130.5
  Bottom w0.25: LCD1.4 101.22,130.52 101.22,38.41 102.49,37.14 102.49,23.06 102.05,22.62 99.07,22.62 97.41,20.95
/DISP_RST: length 63
  Top w0.25: v1(105.66,75.56) 106.93,76.83 109.03,76.83 LCD1.16
  Bottom w0.25: 107.57,20.95 107.57,36.83 108.84,38.1 108.84,46.35 105.66,49.53 v1(105.66,75.56)
/G0: length 19.2
  Top w0.25: 16.13,37.46 14.22,39.37 10.67,39.37 9.78,40.26 9.78,46.99 8.51,48.26 J1.63
/G1: length 11.8
  Top w0.25: J1.65 7.87,45.72 9.14,44.45 9.14,40 10.41,38.73 U11.12
/G2: length 20
  Top w0.25: U11.3 15.49,36.19 13.59,38.1 10.41,38.1 8.51,40 8.51,43.81 7.97,44.36 4.16,44.36 J1.66
/G3: length 10.2
  Top w0.25: J1.67 7.24,43.18 7.87,42.54 7.87,40 8.06,39.82 8.06,39.82 10.22,37.65 10.23,37.65 10.41,37.46 U11.13
/G4: length 18.4
  Top w0.25: U11.2 15.49,34.92 13.59,36.83 10.41,36.83 7.24,40 7.24,41.91 4.06,41.91 J1.68
/G5: length 8.2
  Top w0.25: U11.14 10.4,36.19 6.6,39.99 5.98,39.99 J1.69
/G6: length 16.7
  Top w0.25: U11.1 15.49,33.66 13.59,35.56 13.58,35.55 10.41,35.55 6.6,39.36 4.07,39.36 J1.70
/G7: length 7.7
  Top w0.25: U11.15 10.41,34.92 10.24,35.1 10.22,35.1 7.22,38.1 J1.71
/G8: length 34.5
  Top w0.25: 31.37,24.76 29.46,26.67 20.57,26.67 17.4,29.84 13.59,29.84 9.78,33.66 9.78,34.29 7.33,36.74 4.16,36.74 J1.72
/G9: length 25.9
  Top w0.25: J1.73 7.24,35.56 8.51,34.29 8.51,33.66 9.33,32.84 9.33,32.83 12.77,29.39 12.77,29.39 12.95,29.21 16.76,29.21 19.94,26.03 U12.12
/G10: length 34.1
  Top w0.25: J1.74 4.06,34.29 6.6,34.29 7.87,33.02 7.87,33.02 12.32,28.57 16.13,28.57 19.3,25.4 28.83,25.4 30.73,23.5 U12.3
/G11: length 25
  Top w0.25: J1.75 6.6,33.02 11.68,27.94 15.49,27.94 18.67,24.76 26.92,24.76
/G12: length 78.8
  Top w0.25: v1(39.62,23.5) 37.72,23.5 37.08,22.86 33.91,22.86 33.27,22.22 U12.2 30.73,22.22 28.83,24.13 18.35,24.13 15.18,27.3 11.05,27.3 6.6,31.75 4.06,31.75 J1.76 ; v1(41.53,55.88) U23.9
  Bottom w0.25: v1(39.62,23.5) 41.53,25.4 v1(41.53,55.88)
/G13: length 24.5
  Top w0.25: U12.14 18.03,23.5 14.86,26.67 10.42,26.67 6.6,30.48 J1.77
/G14: length 80.9
  Top w0.25: U23.7 v1(40.89,58.42) ; J1.78 4.06,29.21 6.6,29.21 9.78,26.03 14.22,26.03 17.4,22.86 28.83,22.86 30.73,20.95 U12.1 33.06,20.95 34.42,22.32 v1(39.08,22.32)
  Bottom w0.25: v1(39.08,22.32) 38.99,22.41 38.99,32.38 40.89,34.29 v1(40.89,58.42)
/G15: length 101.7
  Top w0.25: J1.79 6.6,27.94 9.14,25.4 13.59,25.4 16.76,22.22 U12.15 28.83,22.22 30.8,20.25 38.92,20.25 v1(39.62,20.95) ; U7.9 v1(35.81,81.28)
  Bottom w0.25: v1(39.62,20.95) 37.65,22.93 37.65,79.73 36.78,80.59 36.5,80.59 v1(35.81,81.28)
/IEI: length 36.4
  Top w0.25: v1(25.02,70.42) 25.02,66.04 25.65,65.41 29.46,65.41 31.37,63.5
  Bottom w0.25: v1(25.02,70.42) 25.02,71.12 18.67,77.47 9.14,77.47 J1.37
/IEO: length 39.6
  Top w0.25: U9.3 30.73,62.23 30.1,62.86 v1(24.64,62.86)
  Bottom w0.25: v1(24.64,62.86) 24.11,62.86 24.04,62.94 19.87,62.94 18.67,64.13 18.67,68.58 12.23,75.02 10.95,75.02 5.97,80.01 4.06,80.01 J1.38
/MCLK: length 92.6
  Top w0.25: U9.12 25.02,64.77 23.75,66.04 v1(23.75,70.42) ; U20.13 v1(21.84,72.39) 4.06,72.39 J1.44
  Bottom w0.25: v1(21.84,72.39) 23.75,70.48 v1(23.75,70.42)
/MCLR_N: length 109.4
  Top w0.25: U20.1 91.06,87.63 v1(92.96,89.53) ; v1(93.6,124.46) 94.23,125.09 133.6,125.09 136.14,127.63 136.14,136.53 138.05,138.43 J4.1 141.22,141.6 143.13,143.51
  Bottom w0.25: v1(92.96,89.53) 93.6,90.17 v1(93.6,124.46)
/OUT: length 100.6
  Top w0.25: 26.16,78.1 34.54,78.1 v1(34.8,77.85)
  Bottom w0.25: J2.1 41.84,13.34 34.8,20.38 34.8,70.82 34.8,70.83 34.8,71.41 34.8,71.42 34.8,73.36 34.8,73.37 34.8,73.95 34.8,73.96 34.8,75.9 34.8,75.91 v1(34.8,77.85)
/PGC: length 104.8
  Top w0.25: J4.5 135.51,122.55 v1(95.5,122.55) ; U20.27 94.23,86.36 94.87,86.99 v1(94.87,89.53)
  Bottom w0.25: v1(95.5,122.55) 94.87,121.92 94.87,107.31 94.87,116.84 v1(94.87,89.53)
/PGD: length 86.1
  Top w0.25: J4.4 134.24,123.82 v1(94.87,123.82) ; v1(94.23,90.17) 94.23,89.53 93.33,88.63 U20.28
  Bottom w0.25: v1(94.23,90.17) 94.23,123.19 v1(94.87,123.82)
/PIC_PICO_INT: length 87.5
  Top w0.25: 110.11,20.16 110.11,17.14 108.84,15.88 91.06,15.88 v1(89.15,17.78) ; v1(89.15,74.93) U20.11
  Bottom w0.25: v1(89.15,74.93) v1(89.15,17.78)
/PICO_RX: length 58.7
  Top w0.25: A1.2 140.59,52.7 138.05,55.24 130.43,55.24 128.52,57.15 R5.1 128.52,85.09 129.79,86.36 R6.2
/PICO_TX: length 36
  Top w0.25: 143.13,38.73 141.22,36.83 139.95,36.83 139.32,37.46 139.32,53.02 138.37,53.97 126.09,53.97 124.71,55.36
/PORT0: length 228.3
  Top w0.25: v1(28.83,89.53) U2.11 ; U18.16 119.63,66.68 116.01,70.3 29.83,70.3 29.72,70.42 v1(28.83,70.42) ; U12.11 v1(28.83,27.31) ; v1(28.83,130.81) 28.19,131.44 U4.11 ; v1(28.83,103.5) U3.11 ; 27.05,53.34 v1(28.83,53.34) ; U9.11 v1(28.83,66.04) ; v1(28.83,40.64) U10.11 12.32,40.64 U11.11 ; v1(28.83,118.11) U5.11
  Bottom w0.25: v1(28.83,27.31) v1(28.83,89.53) v1(28.83,130.81)
/PORT1: length 238.5
  Top w0.25: U12.10 v1(29.42,28.57) ; U18.17 118.36,67.31 115.83,69.85 29.46,69.85 29.45,69.84 26.27,69.84 25.62,69.18 25.62,67.64 25.95,67.31 U9.10 v1(29.42,67.31) ; v1(29.42,119.38) U5.10 ; 27.05,54.61 v1(29.46,54.61) ; v1(29.46,132.08) 28.83,132.72 26.92,132.72 ; v1(29.42,104.77) U3.10 ; v1(29.46,41.91) U10.10 12.32,41.91 U11.10 ; v1(29.42,90.8) U2.10
  Bottom w0.25: 29.42,28.61 29.42,62.23 29.42,62.23 v1(29.42,67.31) 29.42,132.04 v1(29.46,132.08)
/PORT2: length 235.8
  Top w0.25: U18.18 117.09,67.94 115.75,69.29 30.81,69.29 v1(30.1,68.58) U9.9 ; v1(30.1,120.65) U5.9 ; v1(30.1,43.18) U10.9 26.29,43.81 12.95,43.81 U11.9 ; v1(30.1,133.35) 29.46,133.98 U4.9 ; v1(30.1,106.04) U3.9 ; v1(30.1,92.07) U2.9 ; U12.9 v1(30.1,29.84) ; 27.05,55.88 v1(30.1,55.88)
  Bottom w0.25: v1(30.1,133.35) v1(30.1,29.84)
/RA0: length 51.5
  Top w0.25: U6.19 46.79,104.77 46.81,104.79 v1(46.81,104.82) ; U20.2 v1(82.17,86.36)
  Bottom w0.25: v1(82.17,86.36) 65.42,86.36 56.53,95.25 49.15,95.25 47.24,97.16 47.24,104.38 v1(46.81,104.82)
/RA1: length 60.6
  Top w0.25: v1(46.61,104.14) 42.16,104.14 40.26,106.04 37.72,106.04 ; U20.3 v1(82.17,85.09)
  Bottom w0.25: v1(46.61,104.14) 46.79,103.96 46.79,94.43 47.88,93.34 51.05,93.34 51.69,92.71 57.4,92.71 65.02,85.09 v1(82.17,85.09)
/RA2: length 90.7
  Top w0.25: 44.07,132.72 43.43,132.72 v1(42.8,132.08) ; v1(82.17,83.82) U20.4 ; v1(42.8,90.17) U7.19 ; v1(42.8,118.75) U19.19
  Bottom w0.25: v1(82.17,83.82) 64.39,83.82 58.04,90.17 v1(42.8,90.17) v1(42.8,132.08)
/RA3: length 102.8
  Top w0.25: v1(42.16,120.01) 37.31,120.01 ; v1(42.16,133.35) 41.53,133.98 U17.1 ; U20.5 v1(82.17,82.55) ; v1(46.61,88.27) 43.1,88.27 42.16,89.2 v1(42.16,91.44) U7.1
  Bottom w0.25: v1(46.61,88.27) 47.88,88.27 48.51,87.63 58.67,87.63 63.75,82.55 v1(82.17,82.55) ; v1(42.16,133.35) v1(42.16,91.44)
/RA4: length 106.6
  Top w0.25: U13.18 80.26,43.81 80.9,43.18 85.34,43.18 v1(85.98,43.81) ; U21.18 87.88,106.68 87.25,107.31 80.26,107.31 v1(79.63,107.95) ; U1.18 v1(80.26,125.09) ; v1(85.98,81.28) U20.6
  Bottom w0.25: v1(85.98,43.81) v1(85.98,81.28) 85.98,88.9 87.25,90.17 87.25,99.06 79.63,106.68 79.63,124.46 v1(80.26,125.09)
/RA5: length 95.9
  Top w0.25: U13.11 80.26,37.46 80.9,38.1 85.98,38.1 v1(86.61,38.73) ; v1(80.26,115.57) U1.11 ; U21.11 v1(87.88,93.98) ; U20.7 v1(86.61,80.01)
  Bottom w0.25: v1(80.26,115.57) 80.26,107.31 87.88,99.69 v1(87.88,93.98) 87.88,89.53 86.61,88.27 v1(86.61,80.01) v1(86.61,38.73)
/RA6: length 77.1
  Top w0.25: U23.19 v1(42.8,64.77) ; v1(45.97,76.91) 81.46,76.91 82.17,76.2 U20.10 ; U22.19 v1(42.8,43.18)
  Bottom w0.25: v1(42.8,43.18) 42.8,74.22 45.48,76.91 v1(45.97,76.91)
/RA7: length 82.8
  Top w0.25: 37.43,66.04 v1(42.16,66.04) ; v1(45.97,78.1) 47.24,78.1 47.88,77.47 U20.9 ; U22.1 v1(42.16,44.45)
  Bottom w0.25: v1(45.97,78.1) 42.16,74.29 v1(42.16,44.45)
/RB5: length 29.3
  Top w0.25: v1(95.5,85.72) 94.87,85.09 U20.26
  Bottom w0.25: R11.1 95.5,109.85 v1(95.5,85.72)
/RX: length 42.1
  Top w0.25: 93.4,74.86 125.28,74.86 125.35,74.93 125.98,74.29 U18.11
/SCK: length 111.9
  Top w0.25: U20.14 89.79,71.12 v1(90.42,71.75) ; U13.12 81.53,31.75 82.8,30.48 89.15,30.48 v1(90.42,31.75) ; U21.12 v1(89.15,93.98) ; U1.12 v1(81.53,115.57)
  Bottom w0.25: v1(81.53,115.57) 81.53,107.31 89.15,99.69 89.15,92.07 90.42,90.8 90.38,90.76 90.38,71.8 v1(90.42,71.75) v1(90.42,31.75)
/SD0: length 51.6
  Top w0.25: v1(25.5,39.53) 25.65,39.37 U10.12 29.47,39.37 30.1,38.73 33.46,38.73 35.18,40.45 35.18,41.27 37.08,43.18
  Bottom w0.25: J1.47 23.75,50.16 23.75,41.27 v1(25.5,39.53)
/SD1: length 51
  Top w0.25: v1(24.38,39.37) 25.02,38.73 29.46,38.73 30.1,38.1 U10.4 32.8,38.1 32.98,38.28 33.65,38.28 35.63,40.27 35.63,40.93 36.61,41.91 38.35,41.91
  Bottom w0.25: v1(24.38,39.37) 23.11,40.64 23.11,48.26 J1.49
/SD2: length 47.4
  Top w0.25: v1(23.11,39.37) 24.38,38.1 U10.13 29.46,38.1 30.09,37.47 33.75,37.47 36.93,40.64
  Bottom w0.25: J1.51 22.48,46.35 22.48,40 v1(23.11,39.37)
/SD3: length 47
  Top w0.25: 38.35,39.37 36.45,39.37 34.73,37.65 33.91,36.83 U10.3 29.46,36.83 28.83,37.46 23.75,37.46 v1(22.48,38.73)
  Bottom w0.25: v1(22.48,38.73) 21.84,39.37 21.84,44.45 J1.53
/SD4: length 46
  Top w0.25: 38.35,38.1 36.45,38.1 34.54,36.19 29.46,36.19 28.83,36.83 U10.14 23.11,36.83 v1(21.84,38.1)
  Bottom w0.25: J1.55 6.6,58.42 21.21,43.81 21.21,38.73 v1(21.84,38.1)
/SD5: length 44.9
  Top w0.25: v1(21.21,37.46) 22.48,36.19 28.19,36.19 28.38,36.01 28.38,36.01 28.56,35.83 28.57,35.83 28.83,35.56 U10.2 35.18,35.56 36.45,36.83 38.35,36.83
  Bottom w0.25: J1.57 7.87,55.88 20.57,43.18 20.57,38.1 v1(21.21,37.46)
/SD6: length 43.3
  Top w0.25: v1(20.57,36.83) 21.84,35.56 U10.15 28.19,35.56 28.38,35.38 28.38,35.38 28.83,34.92 35.81,34.92 36.45,35.56 U22.8
  Bottom w0.25: v1(20.57,36.83) 19.94,37.46 19.94,42.54 9.14,53.34 J1.59
/SD7: length 42.8
  Top w0.25: v1(19.94,36.19) 21.21,34.92 28.19,34.92 28.83,34.29 U10.1 38.35,34.29
  Bottom w0.25: v1(19.94,36.19) 19.94,36.83 19.49,37.28 19.49,41.73 10.41,50.8 J1.61
/SDI: length 99.6
  Top w0.25: v1(91.69,71.75) 92.33,71.12 U20.15 ; U21.14 91.69,93.98 v1(91.73,93.98) ; U13.14 84.07,34.29 85.34,33.02 89.15,33.02 v1(91.69,35.56) ; U1.14 v1(84.07,115.57)
  Bottom w0.25: v1(84.07,115.57) 84.07,107.95 91.69,100.33 91.69,94.02 v1(91.73,93.98) 91.73,71.8 v1(91.69,71.75) v1(91.69,35.56)
/SDO: length 104
  Top w0.25: U1.13 v1(82.8,115.57) ; v1(91.06,73.02) 91.65,72.43 93.29,72.43 ; U21.13 v1(90.42,93.98) ; v1(91.06,33.66) 89.15,31.75 84.07,31.75 82.8,33.02 U13.13
  Bottom w0.25: v1(82.8,115.57) 82.8,107.31 90.42,99.69 90.42,92.07 91.06,91.44 v1(91.06,73.02) v1(91.06,33.66)
/SEL0: length 118.1
  Top w0.25: U14.1 110.11,67.94 109.47,68.58 v1(40.26,68.58) ; v1(40.26,104.77) 39.62,105.41 32.51,105.41 U3.7
  Bottom w0.25: v1(40.26,104.77) v1(40.26,68.58)
/SEL1: length 101.9
  Top w0.25: U14.2 108.84,67.31 108.2,67.94 v1(39.62,67.94) ; v1(39.62,90.17) 38.99,90.8 U2.7
  Bottom w0.25: v1(39.62,90.17) v1(39.62,67.94)
/SEL2: length 108.5
  Top w0.25: U12.7 38.35,28.57 41.53,31.75 41.53,41.91 42.16,42.54 50.05,42.54 51.4,41.2 92.26,41.2 93.6,42.54 93.6,59.69 94.87,60.96 104.47,60.96 107.57,64.06 U14.3
/SEL3: length 112.4
  Top w0.25: U11.7 32.64,41.27 32.65,41.28 32.9,41.28 33.17,41.56 33.17,41.81 37.09,45.72 v1(47.24,45.72) ; U14.4 106.3,64.06 103.83,61.59 93.6,61.59 91.06,64.13 v1(58.67,64.13)
  Bottom w0.25: v1(47.24,45.72) 47.24,62.86 48.51,64.13 v1(58.67,64.13)
/SEL4: length 140.9
  Top w0.25: v1(41.59,67.31) 104.39,67.31 105.03,66.67 U14.5 ; v1(41.53,132.72) 40.89,133.35 32.51,133.35 31.87,132.72
  Bottom w0.25: v1(41.59,67.31) 41.53,67.37 v1(41.53,132.72)
/SEL5: length 126
  Top w0.25: 103.76,65.09 103.76,66.04 103.12,66.67 40.89,66.67 v1(40.26,67.31) ; U5.7 40.26,119.38 v1(40.89,118.75)
  Bottom w0.25: v1(40.26,67.31) 40.89,67.94 40.89,118.64 40.79,118.75
/SEL6: length 92.2
  Top w0.25: U14.7 102.49,64.13 100.58,62.23 93.6,62.23 91.06,64.77 v1(58.17,64.77) ; v1(46.61,46.35) 37.08,46.35 32.64,41.91
  Bottom w0.25: v1(46.61,46.35) 46.61,63.5 47.88,64.77 v1(58.17,64.77)
/SEL7: length 83.1
  Top w0.25: U14.8 101.22,64.06 100.02,62.86 94.23,62.86 91.69,65.41 57.66,65.41 55.75,63.5 46.61,63.5 45.97,64.13 v1(40.26,64.13) ; v1(40.26,54.61) 39.55,53.9 35.59,53.9 34.89,54.61 U8.7
  Bottom w0.25: v1(40.26,54.61) v1(40.26,64.13)
/SEL8: length 72.5
  Top w0.25: v1(39.62,65.41) 45.97,65.41 47.24,64.13 55.5,64.13 57.4,66.04 92.28,66.04 94.82,63.5 98.79,63.5 99.95,64.66 ; U9.7 v1(38.99,67.31)
  Bottom w0.25: v1(39.62,65.41) 38.99,66.04 v1(38.99,67.31)
/SH_RW: length 36.9
  Top w0.25: J1.54 4.06,62.23 14.86,62.23 17.4,59.69 25.27,59.69 25.91,60.32 28.83,60.32 29.46,59.69 U9.1 35.81,59.69 37.08,60.96
/SPI_SCK: length 128.6
  Bottom w0.25: 102.49,20.95 103.62,22.08 103.62,53.2 101.85,54.96 101.85,127 116.93,142.08
/SPI_TX: length 127
  Top w0.25: v1(111.38,135.25) 111.38,138.69 LCD1.5
  Bottom w0.25: 105.03,20.95 105.03,36.83 106.3,38.1 106.3,45.72 104.39,47.62 104.39,128.27 v1(111.38,135.25)
/TX: length 25.3
  Top w0.25: R5.2 117.73,73.66 U20.17
/X.A0: length 46.6
  Top w0.25: U1.21 76.45,128.02 61.06,143.42 54.77,143.42 J15.1b 47.88,136.53 47.88,132.72 46.61,131.44 U17.18
/X.A1: length 43
  Top w0.25: U17.17 46.61,130.18 48.51,132.08 48.51,134.62 J15.2b 54.77,140.88 62.33,140.88 75.18,128.02 U1.22
